# Altium PCB 8-8控制板.PcbDoc (part 4 of 5) (continued)
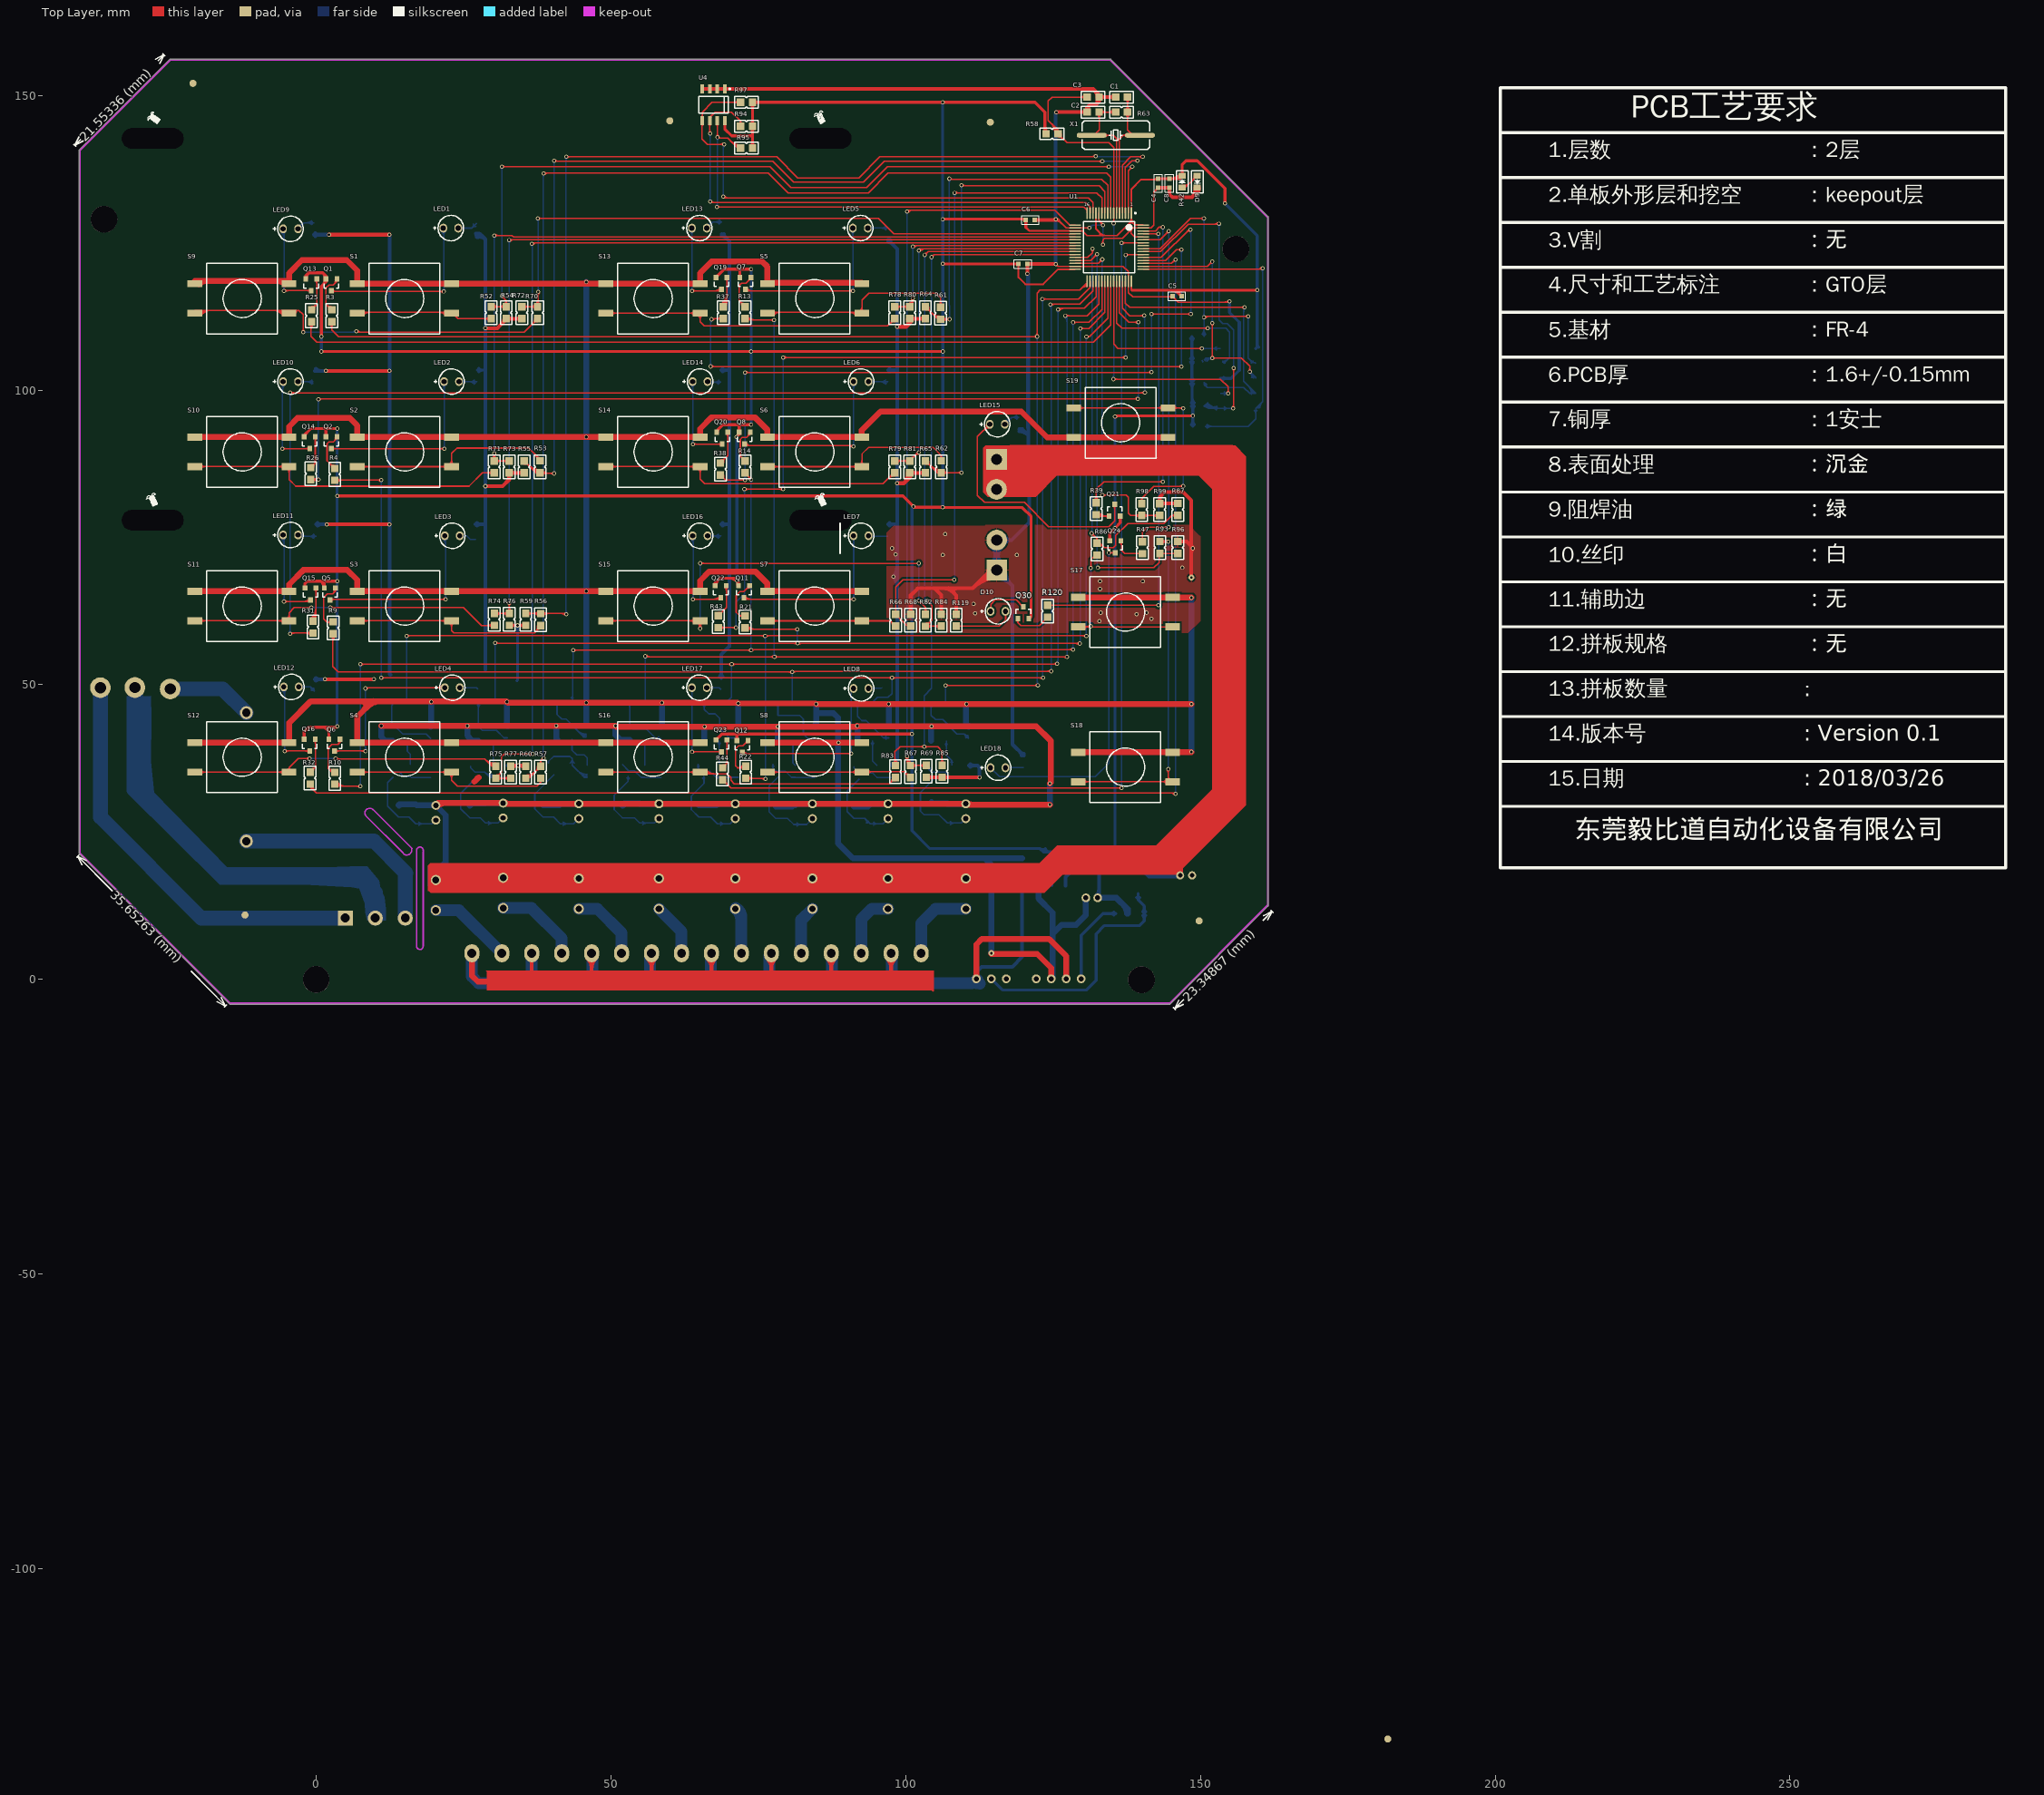
[diagram p0: Top Layer view]
## Nets (pads, with @x,y where several pads share a name; then routed paths per layer and width w, separated by ;. In a path a pad name is that pad's centre, name@x,y a point inside that pad or via, vN(x,y) a via of type N, cw(c..) or ccw(c..) an arc to the next point about the centre after c; other vN are vias at no path point) (continued)
NetR70_2: R70.2 R72.2 U1.20 | length 123.6
  Top Layer w0.203: R72.2@34.9,114.148 R70.2@37.567,114.148 37.694,114.275 v1(37.694,116.688) ; R72.2@35.133,113.914 cw(c35.697,113.35) 35.697,114.148 cw(c35.697,114.945) R72.2@35.133,114.381 ; R72.2@35.277,113.77 cw(c36.187,112.86) 36.187,114.148 cw(c36.187,115.435) R72.2@35.277,114.525 ; R70.2@37.189,113.77 ccw(c36.279,112.86) 36.279,114.148 ccw(c36.279,115.435) 37.189,114.525 ccw(c35.972,115.742) 37.694,115.742 ; R70.2@37.333,113.914 ccw(c36.769,113.35) 36.769,114.148 ccw(c36.769,114.945) 37.333,114.381 ccw(c36.463,115.251) 37.694,115.251 ; v1@37.518,116.512 cw(c37.094,116.088) 37.694,116.088 cw(c38.293,116.088) v1@37.869,116.512 ; v1(37.567,129.134) 95.352,129.134 97.988,126.498 U1.20@128.753,126.498 ; 37.694,115.129 ccw(c38.548,115.129) R70.2@37.944,114.525 ; v1@37.742,128.958 cw(c38.166,128.534) 38.166,129.134 cw(c38.166,129.733) v1@37.742,129.309
  Bottom Layer w0.203: v1@37.391,128.958 cw(c36.66,128.227) 37.694,128.227 ; v1@37.518,116.863 ccw(c37.094,117.287) 37.694,117.287 ccw(c38.293,117.287) v1@37.869,116.863 ; v1@37.535,129.102 cw(c37.151,128.718) 37.694,128.718 ; v1(37.567,129.134) 37.694,129.007 v1(37.694,116.688)
NetR71_1: R71.1 S10.2 S10.3 | length 64.1
  Top Layer w0.203: S10.2@-20.598,87.01 S10.3@-4.598,87.01 ; S10.2@-19.74,86.801 cw(c-19.236,86.297) -19.236,87.01 cw(c-19.236,87.722) S10.2@-19.74,87.218 ; S10.2@-19.596,86.657 cw(c-18.745,85.806) -18.745,87.01 cw(c-18.745,88.213) S10.2@-19.596,87.362 ; S10.3@-5.601,86.657 ccw(c-6.452,85.806) -6.452,87.01 ccw(c-6.452,88.213) S10.3@-5.601,87.362 ; S10.3@-5.457,86.801 ccw(c-5.961,86.297) -5.961,87.01 ccw(c-5.961,87.722) S10.3@-5.457,87.218
  Top Layer w0.254: S10.3@-4.933,86.675 cw(c-5.74,85.868) -4.598,85.868 cw(c-3.456,85.868) S10.3@-4.264,86.675 ; S10.3@-4.598,87.01 -4.598,84.836 -3.455,83.693 25.933,83.693 28.194,85.954 R71.1@30.201,85.954 ; R71.1@29.841,85.594 ccw(c28.974,84.727) 28.974,85.954 ccw(c28.974,87.18) R71.1@29.841,86.313
NetR71_2: R71.2 R73.2 U1.21 | length 150.2
  Top Layer w0.203: v1(30.226,126.238) 33.223,126.238 33.503,125.959 128.714,125.959 U1.21@128.753,125.998 ; v1@30.402,126.062 cw(c30.826,125.638) 30.826,126.238 cw(c30.826,126.838) v1@30.402,126.414 ; 127.727,125.959 ccw(c127.727,126.148) U1.21@127.861,126.014
  Top Layer w0.254: R71.2@29.86,88.363 ccw(c29.169,89.129) v1@30.201,89.129 ; v1@30.033,89.17 cw(c29.523,88.875) 30.092,88.722 ; v1@30.068,89.123 cw(c29.749,88.804) 30.201,88.804 ; 30.11,88.792 cw(c30.581,88.666) v1@30.337,89.088 ; v1@30.115,89.088 cw(c29.955,88.811) 30.264,88.894 ; 30.201,88.681 cw(c30.826,88.681) v1@30.384,89.123 ; v1(30.226,89.281) 30.226,89.154 v1@30.201,89.129 ; 30.31,88.72 cw(c30.768,88.843) v1@30.399,89.141 ; R71.2@30.541,88.363 cw(c31.232,89.129) v1@30.201,89.129 ; R71.2@30.56,87.626 cw(c31.427,86.759) 31.427,87.986 cw(c31.427,89.212) R71.2@30.56,88.345 ; R73.2@32.381,87.626 ccw(c31.514,86.759) 31.514,87.986 ccw(c31.514,89.212) R73.2@32.381,88.345 ; R73.2@32.741,87.986 R71.2@30.201,87.986 v1@30.201,89.129
  Bottom Layer w0.254: v1@30.068,89.439 ccw(c29.688,89.819) 30.226,89.819 ccw(c30.764,89.819) v1@30.384,89.439 ; v1@30.068,126.08 cw(c29.688,125.7) 30.226,125.7 cw(c30.764,125.7) v1@30.384,126.08 ; v1(30.226,89.281) v1(30.226,126.238)
NetR74_1: R74.1 S11.2 S11.3 | length 69.9
  Top Layer w0.203: S11.2@-20.598,60.848 S11.3@-4.598,60.848 -4.598,62.204 -3.708,63.094 v1(-0.787,63.094) ; S11.2@-19.74,60.639 cw(c-19.236,60.135) -19.236,60.848 cw(c-19.236,61.56) S11.2@-19.74,61.056 ; S11.2@-19.596,60.495 cw(c-18.745,59.644) -18.745,60.848 cw(c-18.745,62.051) S11.2@-19.596,61.2 ; S11.3@-5.601,60.495 ccw(c-6.452,59.644) -6.452,60.848 ccw(c-6.452,62.051) S11.3@-5.601,61.2 ; S11.3@-5.457,60.639 ccw(c-5.961,60.135) -5.961,60.848 ccw(c-5.961,61.56) S11.3@-5.457,61.056 ; S11.3@-4.951,61.2 ccw(c-5.802,62.051) -4.598,62.051 ccw(c-3.395,62.051) S11.3@-4.246,61.2 ; S11.3@-4.807,61.056 ccw(c-5.311,61.56) -4.598,61.56 ccw(c-3.886,61.56) S11.3@-4.39,61.056 ; v1@-0.963,62.918 ccw(c-1.387,62.494) -1.387,63.094 ccw(c-1.387,63.693) v1@-0.963,63.269 ; v1(2.388,63.094) 24.994,63.094 28.042,60.046 28.067,60.071 R74.1@30.226,60.071 ; v1@2.563,62.918 cw(c2.987,62.494) 2.987,63.094 cw(c2.987,63.693) v1@2.563,63.269 ; R74.1@29.849,59.694 ccw(c28.938,58.783) 28.938,60.071 ccw(c28.938,61.359) R74.1@29.849,60.448 ; R74.1@29.993,59.838 ccw(c29.429,59.274) 29.429,60.071 ccw(c29.429,60.868) R74.1@29.993,60.304
  Bottom Layer w0.203: v1(-0.787,63.094) v1(2.388,63.094) ; v1@-0.612,62.918 cw(c-0.188,62.494) -0.188,63.094 cw(c-0.188,63.693) v1@-0.612,63.269 ; v1@2.212,62.918 ccw(c1.788,62.494) 1.788,63.094 ccw(c1.788,63.693) v1@2.212,63.269
NetR74_2: R74.2 R76.2 U1.22 | length 175.5
  Top Layer w0.203: R74.2@30.226,62.103 R76.2@32.766,62.103 v1(32.766,63.881) ; R74.2@30.459,61.87 cw(c31.023,61.306) 31.023,62.103 cw(c31.023,62.9) R74.2@30.459,62.336 ; R74.2@30.603,61.726 cw(c31.514,60.815) 31.514,62.103 cw(c31.514,63.391) R74.2@30.603,62.48 ; R76.2@32.389,61.726 ccw(c31.478,60.815) 31.478,62.103 ccw(c31.478,63.391) 32.389,62.48 ccw(c31.478,63.391) 32.766,63.391 ccw(c34.054,63.391) R76.2@33.143,62.48 ; R76.2@32.533,61.87 ccw(c31.969,61.306) 31.969,62.103 ccw(c31.969,62.9) 32.533,62.336 ccw(c31.969,62.9) 32.766,62.9 ccw(c33.563,62.9) R76.2@32.999,62.336 ; v1@32.59,63.705 cw(c32.166,63.281) 32.766,63.281 cw(c33.366,63.281) v1@32.942,63.705 ; v1(32.766,125.476) 32.788,125.498 35.795,125.498 ; v1@32.942,125.3 cw(c33.418,124.824) 33.418,125.498 ; v1@32.942,125.652 ccw(c33.314,126.024) 33.314,125.498 ; 35.796,125.498 U1.22@128.752,125.498
  Bottom Layer w0.203: v1@32.59,64.057 ccw(c32.166,64.481) 32.766,64.481 ccw(c33.366,64.481) v1@32.942,64.057 ; v1@32.59,125.3 cw(c32.166,124.876) 32.766,124.876 cw(c33.366,124.876) v1@32.942,125.3 ; v1(32.766,63.881) v1(32.766,125.476)
NetR75_1: R75.1 S12.2 S12.3 | length 69.6
  Top Layer w0.203: S12.2@-20.598,35.194 S12.3@-4.598,35.194 -4.598,35.915 ; S12.2@-19.74,34.985 cw(c-19.236,34.481) -19.236,35.194 cw(c-19.236,35.906) S12.2@-19.74,35.402 ; S12.2@-19.596,34.841 cw(c-18.745,33.99) -18.745,35.194 cw(c-18.745,36.397) S12.2@-19.596,35.546 ; S12.3@-5.601,34.841 ccw(c-6.452,33.99) -6.452,35.194 ccw(c-6.452,36.397) S12.3@-5.601,35.546 ; S12.3@-5.457,34.985 ccw(c-5.961,34.481) -5.961,35.194 ccw(c-5.961,35.906) S12.3@-5.457,35.402 ; S12.3@-4.774,35.66 ccw(c-4.871,35.915) -4.598,35.915 ; S12.3@-4.422,35.66 cw(c-4.326,35.915) -4.598,35.915 ; v1@-1.319,37.289 ccw(c-1.743,36.865) -1.743,37.465 ccw(c-1.743,38.065) v1@-1.319,37.641 ; v1(-1.143,37.465) -3.048,37.465 -4.598,35.915 ; v1(3.302,37.465) 3.327,37.44 28.55,37.44 ; v1@3.478,37.289 cw(c3.84,36.927) 3.84,37.44 ; v1@3.478,37.641 ccw(c3.963,38.126) 3.963,37.44 ; 28.878,37.111 ccw(c30.359,38.592) R75.1@30.442,36.5 ; 29.206,36.783 ccw(c30.384,37.96) R75.1@30.45,36.297 ; 29.535,36.455 ccw(c30.409,37.329) R75.1@30.458,36.093 ; R75.1@30.433,36.703 cw(c30.334,39.223) 28.55,37.44 ; R75.1@30.455,36.17 29.82,36.17 28.55,37.44
  Bottom Layer w0.203: v1(-1.143,37.465) v1(3.302,37.465) ; v1@-0.967,37.289 cw(c-0.543,36.865) -0.543,37.465 cw(c-0.543,38.065) v1@-0.967,37.641 ; v1@3.126,37.289 ccw(c2.702,36.865) 2.702,37.465 ccw(c2.702,38.065) v1@3.126,37.641
NetR75_2: R75.2 R77.2 U1.23 | length 205.4
  Top Layer w0.203: R75.2@30.455,34.468 ccw(c30.455,35.265) 31.018,34.701 ccw(c31.582,34.138) R75.2@30.785,34.138 ; R75.2@30.455,34.671 ccw(c30.455,35.959) 31.365,35.048 ccw(c32.276,34.138) R75.2@30.988,34.138 ; R75.2@30.688,33.904 cw(c31.252,33.34) 31.252,34.138 cw(c31.252,34.935) R75.2@30.688,34.371 ; R75.2@30.832,33.76 cw(c31.742,32.85) 31.742,34.138 cw(c31.742,35.425) R75.2@30.832,34.515 ; R77.2@32.617,33.76 ccw(c31.707,32.85) 31.707,34.138 ccw(c31.707,35.425) R77.2@32.617,34.515 ; R77.2@32.761,33.904 ccw(c32.197,33.34) 32.197,34.138 ccw(c32.197,34.935) R77.2@32.761,34.371 ; R77.2@32.995,34.138 R75.2@30.455,34.138 31.471,35.154 31.471,37.821 31.877,38.227 v1(36.703,38.227) ; v1@36.527,38.051 ccw(c36.103,37.627) 36.103,38.227 ccw(c36.103,38.827) v1@36.527,38.403 ; v1(36.576,124.841) 36.733,124.998 U1.23@128.753,124.998 ; v1@36.608,124.809 cw(c37.063,124.354) 37.063,124.998 ; v1@36.752,124.665 cw(c37.554,123.863) 37.554,124.998
  Bottom Layer w0.203: v1@36.4,124.665 cw(c35.731,123.996) 36.678,123.996 ; v1@36.527,38.403 ccw(c36.165,38.765) 36.678,38.765 ; v1@36.544,124.809 cw(c36.222,124.487) 36.678,124.487 cw(c36.93,124.487) v1@36.752,124.665 ; v1(36.576,124.841) 36.678,124.739 36.678,38.252 v1(36.703,38.227) ; 36.678,38.888 ccw(c37.364,38.888) v1@36.879,38.403
NetR78_1: R78.1 S13.2 S13.3 | length 63.5
  Top Layer w0.203: S13.2@49.125,113.045 S13.3@65.125,113.045 65.125,111.609 65.824,110.909 96.939,110.909 R78.1@98.146,112.116 ; S13.2@49.983,112.836 cw(c50.487,112.332) 50.487,113.045 cw(c50.487,113.757) S13.2@49.983,113.253 ; S13.2@50.127,112.692 cw(c50.978,111.841) 50.978,113.045 cw(c50.978,114.248) S13.2@50.127,113.397 ; S13.3@64.122,112.692 ccw(c63.271,111.841) 63.271,113.045 ccw(c63.271,114.248) S13.3@64.122,113.397 ; S13.3@64.266,112.836 ccw(c63.762,112.332) 63.762,113.045 ccw(c63.762,113.757) S13.3@64.266,113.253 ; S13.3@64.772,112.692 cw(c63.921,111.841) 65.125,111.841 cw(c66.328,111.841) S13.3@65.477,112.692 ; S13.3@64.916,112.836 cw(c64.412,112.332) 65.125,112.332 cw(c65.837,112.332) S13.3@65.333,112.836 ; R78.1@97.612,112.116 cw(c96.324,112.116) 97.235,111.205 cw(c98.146,110.294) R78.1@98.146,111.582 ; R78.1@97.815,112.116 cw(c97.018,112.116) 97.582,111.552 cw(c98.146,110.988) R78.1@98.146,111.785
NetR78_2: R78.2 R80.2 U1.24 | length 57
  Top Layer w0.203: R78.2@98.146,114.148 R80.2@100.686,114.148 101.194,114.656 v1(101.194,115.57) cw(c100.235,115.57) R80.2@100.525,114.656 ; R78.2@98.379,113.914 cw(c98.943,113.35) 98.943,114.148 cw(c98.943,114.945) R78.2@98.379,114.381 ; R78.2@98.523,113.77 cw(c99.433,112.86) 99.433,114.148 cw(c99.433,115.435) R78.2@98.523,114.525 ; R80.2@100.308,113.77 ccw(c99.398,112.86) 99.398,114.148 ccw(c99.398,115.435) R80.2@100.308,114.525 ; R80.2@100.452,113.914 ccw(c99.888,113.35) 99.888,114.148 ccw(c99.888,114.945) R80.2@100.452,114.381 ; R80.2@100.586,114.462 ccw(c100.323,115.292) v1@101.194,115.292 ; R80.2@100.647,114.269 ccw(c100.411,115.015) 101.194,115.015 ; R80.2@100.709,114.075 ccw(c100.499,114.737) R80.2@101.194,114.737 ; v1@100.998,115.416 cw(c100.706,115.187) 101.065,115.091 cw(c101.424,114.994) v1@101.286,115.339 ; v1@101.008,115.405 cw(c100.662,115.097) 101.109,114.977 ; v1@101.018,115.394 cw(c100.594,114.97) 101.194,114.97 cw(c101.793,114.97) v1@101.369,115.394 ; 101.153,115.14 cw(c101.495,115.048) v1@101.318,115.355 ; v1(101.219,124.333) 101.384,124.498 U1.24@128.753,124.498 ; v1@101.251,124.301 cw(c101.725,123.827) 101.725,124.498 ; v1@101.395,124.157 cw(c102.216,123.336) 102.216,124.498
  Bottom Layer w0.203: v1@101.018,115.746 ccw(c100.594,116.17) 101.194,116.17 ccw(c101.793,116.17) v1@101.369,115.746 ; v1@101.043,124.157 cw(c100.681,123.795) 101.194,123.795 ; v1(101.194,115.57) 101.194,124.308 v1(101.219,124.333) ; 101.194,123.672 cw(c101.88,123.672) v1@101.395,124.157
NetR79_1: R79.1 S14.2 S14.3 | length 64.2
  Top Layer w0.203: S14.2@49.125,87.01 S14.3@65.125,87.01 65.125,84.862 65.876,84.111 96.176,84.111 98.019,85.954 R79.1@98.146,85.954 ; S14.2@49.983,86.801 cw(c50.487,86.297) 50.487,87.01 cw(c50.487,87.722) S14.2@49.983,87.218 ; S14.2@50.127,86.657 cw(c50.978,85.806) 50.978,87.01 cw(c50.978,88.213) S14.2@50.127,87.362 ; S14.3@64.122,86.657 ccw(c63.271,85.806) 63.271,87.01 ccw(c63.271,88.213) S14.3@64.122,87.362 ; S14.3@64.266,86.801 ccw(c63.762,86.297) 63.762,87.01 ccw(c63.762,87.722) S14.3@64.266,87.218 ; S14.3@64.772,86.657 cw(c63.921,85.806) 65.125,85.806 cw(c66.328,85.806) S14.3@65.477,86.657 ; S14.3@64.916,86.801 cw(c64.412,86.297) 65.125,86.297 cw(c65.837,86.297) S14.3@65.333,86.801 ; 97.018,84.953 cw(c98.146,83.826) R79.1@98.146,85.42 ; 97.325,85.26 ccw(c96.631,85.954) R79.1@97.612,85.954 ; 97.365,85.3 cw(c98.146,84.52) R79.1@98.146,85.623
NetR79_2: R79.2 R81.2 U1.25 | length 81.5
  Top Layer w0.203: R79.2@98.146,87.986 R81.2@100.686,87.986 102.108,89.408 v1(102.235,89.408) ; R79.2@98.379,87.752 cw(c98.943,87.188) 98.943,87.986 cw(c98.943,88.783) R79.2@98.379,88.219 ; R79.2@98.523,87.608 cw(c99.433,86.698) 99.433,87.986 cw(c99.433,89.273) R79.2@98.523,88.363 ; R81.2@100.308,87.608 ccw(c99.398,86.698) 99.398,87.986 ccw(c99.398,89.273) R81.2@100.308,88.363 ; R81.2@100.452,87.752 ccw(c99.888,87.188) 99.888,87.986 ccw(c99.888,88.783) R81.2@100.452,88.219 ; R81.2@100.686,88.316 ccw(c100.686,89.113) 101.249,88.549 ccw(c101.813,87.986) R81.2@101.016,87.986 ; R81.2@100.686,88.519 ccw(c100.686,89.807) 101.596,88.896 ccw(c102.507,87.986) R81.2@101.219,87.986 ; 101.594,88.894 cw(c102.235,88.253) v1@102.235,89.16 ; 101.901,89.201 ccw(c101.694,89.408) v1@101.987,89.408 ; v1@102.123,123.81 cw(c102.577,123.356) 102.577,123.998 ; v1(102.235,123.698) 102.535,123.998 ; v1@102.267,123.666 cw(c103.067,122.866) 103.067,123.998 ; v1@102.302,123.937 ccw(c102.367,124.165) 102.535,123.998 ; v1@102.411,123.522 cw(c103.558,122.375) 103.558,123.998 ; v1@102.474,123.765 cw(c102.702,123.83) 102.535,123.998 ; U1.25@128.753,123.998 102.535,123.998
  Bottom Layer w0.203: v1@102.059,89.584 ccw(c101.697,89.946) 102.21,89.946 ; v1@102.059,123.522 cw(c101.697,123.16) 102.21,123.16 ; 102.21,90.069 ccw(c102.896,90.069) v1@102.411,89.584 ; 102.21,123.037 cw(c102.896,123.037) v1@102.411,123.522 ; v1(102.235,89.408) 102.21,89.433 102.21,123.673 v1(102.235,123.698)
NetR82_1: R82.1 S15.2 S15.3 | length 94.8
  Top Layer w0.203: S15.2@49.125,60.848 S15.3@65.125,60.848 v1(65.126,59.538) v1(65.126,59.538) ; S15.2@49.983,60.639 cw(c50.487,60.135) 50.487,60.848 cw(c50.487,61.56) S15.2@49.983,61.056 ; S15.2@50.127,60.495 cw(c50.978,59.644) 50.978,60.848 cw(c50.978,62.051) S15.2@50.127,61.2 ; S15.3@64.122,60.495 ccw(c63.271,59.644) 63.271,60.848 ccw(c63.271,62.051) S15.3@64.122,61.2 ; S15.3@64.266,60.639 ccw(c63.762,60.135) 63.762,60.848 ccw(c63.762,61.56) S15.3@64.266,61.056 ; S15.3@64.772,60.495 cw(c63.921,59.644) 65.125,59.644 cw(c66.328,59.644) S15.3@65.477,60.495 ; v1@64.91,59.662 ccw(c64.312,60.007) 64.979,60.186 ; S15.3@64.916,60.639 cw(c64.412,60.135) 65.125,60.135 ; v1@64.95,59.713 ccw(c64.528,60.135) 65.125,60.135 ; v1@65.001,59.753 ccw(c64.75,60.188) 65.235,60.058 ; 65.013,60.062 ccw(c65.504,60.193) v1@65.25,59.753 ; 65.125,60.14 ccw(c65.728,60.14) v1@65.301,59.713 ; v1(65.151,70.612) v1(102.235,70.612) ; 65.271,60.191 ccw(c65.945,60.01) v1@65.341,59.662 ; v1@65.327,70.436 cw(c65.751,70.012) 65.751,70.612 cw(c65.751,71.212) v1@65.327,70.788 ; S15.3@65.333,60.639 ccw(c65.837,60.135) 65.125,60.135 ; v1@102.235,64.014 cw(c102.235,63.537) 102.572,63.874 ; v1(102.235,64.262) 102.235,64.211 103.353,63.094 ; v1@102.483,64.262 ccw(c103.206,64.262) 102.695,63.751 ; R82.1@103.01,62.359 ccw(c102.395,63.094) 103.353,63.094 ; R82.1@103.141,62.204 ccw(c102.76,62.658) 103.353,62.658 ccw(c103.946,62.658) R82.1@103.565,62.204 ; R82.1@103.353,61.951 103.353,63.094 ; R82.1@103.695,62.359 cw(c104.31,63.094) 103.353,63.094
  Bottom Layer w0.203: v1@64.95,59.713 ccw(c64.526,60.137) 65.126,60.137 ccw(c65.725,60.137) v1@65.301,59.713 ; v1@64.969,70.443 cw(c64.529,70.036) 65.128,70.013 cw(c65.727,69.99) v1@65.32,70.43 ; v1(65.126,59.538) 65.126,69.952 v1(65.151,70.612) ; v1@102.059,64.438 ccw(c101.697,64.8) 102.21,64.8 ; v1@102.059,70.436 cw(c101.697,70.074) 102.21,70.074 ; 102.21,64.923 ccw(c102.896,64.923) v1@102.411,64.438 ; 102.21,69.951 cw(c102.896,69.951) v1@102.411,70.436 ; v1(102.235,64.262) 102.21,64.287 102.21,70.587 v1(102.235,70.612)
NetR82_2: R82.2 R84.2 U1.26 | length 104.4
  Top Layer w0.203: v1(103.251,122.936) 103.813,123.498 U1.26@128.753,123.498 ; v1@103.251,123.184 ccw(c103.251,123.784) 103.675,123.36 ccw(c104.099,122.936) v1@103.499,122.936 ; R82.2@103.353,59.919 103.454,59.919 R82.2@103.48,59.944 ; R82.2@103.353,60.249 ccw(c103.353,61.291) 104.09,60.554 ; R82.2@103.353,60.452 ccw(c103.353,61.985) 104.437,60.901 ; R82.2@103.586,59.685 cw(c104.211,59.06) 104.211,59.944 ; R82.2@103.586,60.152 ccw(c104.088,60.654) 104.088,59.944 ; v1(103.632,64.262) 104.496,63.398 104.496,60.96 R82.2@103.48,59.944 ; R82.2@103.73,59.541 cw(c104.702,58.57) 104.702,59.944 ; R82.2@103.73,60.296 ccw(c104.579,61.145) 104.579,59.944 ; R82.2@103.886,59.919 cw(c104.928,59.919) 104.191,60.656 ; R84.2@105.668,59.567 ccw(c104.757,58.656) 104.757,59.944 ccw(c104.757,61.232) R84.2@105.668,60.321 ; R84.2@105.812,59.711 ccw(c105.248,59.147) 105.248,59.944 ccw(c105.248,60.741) R84.2@105.812,60.177 ; R84.2@106.045,59.944 R82.2@103.48,59.944
  Bottom Layer w0.203: v1@103.075,122.76 cw(c102.651,122.336) 103.251,122.336 cw(c103.851,122.336) v1@103.427,122.76 ; v1(103.251,122.936) 103.251,64.643 ; v1@103.384,64.282 ccw(c102.926,64.318) 103.251,64.643 ; v1@103.612,64.51 cw(c103.576,64.968) 103.251,64.643 ; v1(103.632,64.262) 103.251,64.643
NetR83_1: R83.1 S16.2 S16.3 | length 64.1
  Top Layer w0.203: S16.2@49.125,35.194 S16.3@65.125,35.194 65.419,34.9 69.698,34.9 70.333,34.265 70.333,33.757 70.904,33.185 97.193,33.185 R83.1@98.273,34.265 ; S16.2@49.983,34.985 cw(c50.487,34.481) 50.487,35.194 cw(c50.487,35.906) S16.2@49.983,35.402 ; S16.2@50.127,34.841 cw(c50.978,33.99) 50.978,35.194 cw(c50.978,36.397) S16.2@50.127,35.546 ; S16.3@64.122,34.841 ccw(c63.271,33.99) 63.271,35.194 ccw(c63.271,36.397) S16.3@64.122,35.546 ; S16.3@64.266,34.985 ccw(c63.762,34.481) 63.762,35.194 ccw(c63.762,35.906) S16.3@64.266,35.402 ; S16.3@65.84,35.259 ccw(c66.706,36.125) 66.706,34.9 ; S16.3@65.983,35.402 ccw(c67.197,36.616) 67.197,34.9 ; S16.3@66.127,35.546 ccw(c67.688,37.107) 67.688,34.9 ; R83.1@97.739,34.265 cw(c96.451,34.265) 97.362,33.354 cw(c98.273,32.443) R83.1@98.273,33.731 ; R83.1@97.942,34.265 cw(c97.145,34.265) 97.709,33.701 cw(c98.273,33.137) R83.1@98.273,33.934
NetR83_2: R83.2 R85.2 U1.27 | length 131.5
  Top Layer w0.203: R83.2@97.895,36.674 ccw(c97.23,37.339) 98.171,37.339 ccw(c99.315,37.339) R83.2@98.506,36.53 ; 98.171,37.83 ccw(c99.806,37.83) R83.2@98.65,36.674 ; R83.2@98.273,36.297 98.171,36.398 98.171,38.608 99.035,39.472 v1@103.124,39.472 ; 102.463,39.472 ccw(c102.463,40.158) v1@102.948,39.673 ; 102.586,39.472 cw(c102.586,38.959) v1@102.948,39.321 ; v1(103.124,39.497) v1@103.124,39.472 ; v1@103.3,39.321 cw(c103.662,38.959) 103.662,39.472 ; v1@103.3,39.673 ccw(c103.785,40.158) 103.785,39.472 ; v1(104.394,122.555) 104.837,122.998 U1.27@128.753,122.998 ; v1@104.394,122.803 ccw(c104.394,123.403) 104.818,122.979 ccw(c105.242,122.555) v1@104.642,122.555 ; R85.2@105.795,36.699 ccw(c104.884,37.61) 106.172,37.61 ccw(c107.46,37.61) R85.2@106.549,36.699 ; R85.2@105.939,36.555 ccw(c105.375,37.119) 106.172,37.119 ccw(c106.969,37.119) R85.2@106.405,36.555 ; R85.2@106.172,36.322 106.172,38.735 105.435,39.472 v1@103.124,39.472
  Bottom Layer w0.203: v1(103.124,39.497) 103.124,48.133 104.394,49.403 v1(104.394,122.555) ; v1@104.218,122.379 cw(c103.794,121.955) 104.394,121.955 cw(c104.994,121.955) v1@104.57,122.379
NetR86_1: R86.1 S17.2 S17.3 | length 36.6
  Top Layer w0.203: S17.2@129.262,59.832 131.333,59.832 v1(131.42,59.919) ; S17.2@130.12,59.623 cw(c130.624,59.119) 130.624,59.832 cw(c130.624,60.544) S17.2@130.12,60.04 ; S17.2@130.264,59.479 cw(c131.115,58.628) 131.115,59.832 cw(c131.115,61.035) S17.2@130.264,60.184 ; 130.61,59.832 ccw(c130.61,60.728) v1@131.244,60.094 ; 130.786,59.92 ccw(c130.893,60.319) v1@131.222,60.069 ; 130.83,59.755 ccw(c130.67,60.351) v1@131.204,60.043 ; 130.854,59.762 cw(c131.004,59.199) v1@131.295,59.703 ; 131.03,59.832 cw(c131.03,59.529) v1@131.244,59.743 ; v1@131.507,59.832 S17.3@145.262,59.832
  Top Layer w0.254: v1@131.262,69.982 ccw(c130.881,70.363) 131.42,70.363 ccw(c131.958,70.363) v1@131.577,69.982 ; v1(131.42,69.825) 131.42,71.247 132.182,72.009 R86.1@132.461,72.009 ; R86.1@132.41,72.136 R86.1@132.436,72.111
  Bottom Layer w0.254: v1@131.262,60.076 ccw(c130.881,60.457) 131.42,60.457 ccw(c131.958,60.457) v1@131.577,60.076 ; v1@131.262,69.667 cw(c130.881,69.286) 131.42,69.286 cw(c131.958,69.286) v1@131.577,69.667 ; v1(131.42,59.919) v1(131.42,69.825)
NetR86_2: R86.2 R87.2 U1.28 | length 80.4
  Top Layer w0.203: U1.28@128.753,122.498 130.88,122.498 131.699,123.317 v1(131.699,123.952) ; v1@131.523,123.776 cw(c131.099,123.352) 131.699,123.352 cw(c132.299,123.352) v1@131.875,123.776 ; v1@131.572,75.444 cw(c131.572,74.844) 131.996,75.268 cw(c132.42,75.692) v1@131.82,75.692 ; v1(131.572,75.692) 132.461,74.803 ; R86.2@132.278,74.542 ccw(c132.183,74.803) 132.461,74.803 ; R86.2@132.461,74.041 R86.2@132.461,74.143 ; R86.2@132.502,73.921 cw(c132.741,73.214) 133.268,73.742 ; R86.2@132.567,73.728 cw(c132.858,72.869) 133.5,73.51 ; R86.2@132.632,73.536 cw(c132.975,72.523) 133.731,73.279 ; R86.2@132.644,74.542 cw(c132.739,74.803) 132.461,74.803 ; R87.2@145.738,78.437 ccw(c145.161,78.039) 145.161,78.74 ; R87.2@145.738,79.043 cw(c145.161,79.441) 145.161,78.74 ; R87.2@146.177,78.74 145.161,78.74 ; R86.2@132.461,74.143 132.867,74.143 133.731,73.279 ; R86.2@132.461,74.143 132.461,74.803 ; 133.731,73.279 135.255,73.279 135.636,73.66 135.636,75.311 137.668,77.343 143.764,77.343 145.161,78.74
  Bottom Layer w0.203: v1@131.396,75.868 ccw(c130.804,76.46) 131.642,76.46 ; v1@131.523,123.776 cw(c131.238,123.491) 131.642,123.491 ; v1(131.572,75.692) 131.642,75.762 131.642,123.895 v1(131.699,123.952) ; 131.642,76.124 ccw(c132.004,76.124) v1@131.748,75.868 ; 131.642,123.214 cw(c132.437,123.214) v1@131.875,123.776
NetR93_1: R93.1 S18.2 S18.3 | length 71.9
  Top Layer w0.203: S18.2@129.262,33.543 S18.3@145.262,33.543 ; S18.2@130.12,33.334 cw(c130.624,32.83) 130.624,33.543 cw(c130.624,34.255) S18.2@130.12,33.751 ; S18.2@130.264,33.19 cw(c131.115,32.339) 131.115,33.543 cw(c131.115,34.746) S18.2@130.264,33.895 ; R93.1@143.129,74.295 v1(144.526,74.295) ; R93.1@143.362,74.062 cw(c143.926,73.498) 143.926,74.295 ; R93.1@143.362,74.528 ccw(c143.926,75.092) 143.926,74.295 ; R93.1@143.506,73.918 cw(c144.417,73.007) 144.417,74.295 cw(c144.417,75.583) R93.1@143.506,74.672 ; 143.873,74.149 cw(c144.054,73.477) v1@144.402,74.08 ; 143.873,74.441 ccw(c144.054,75.113) v1@144.402,74.51 ; 144.005,74.185 ccw(c143.875,74.671) v1@144.311,74.419 ; 144.005,74.405 cw(c143.875,73.919) v1@144.311,74.171 ; S18.3@144.259,33.19 ccw(c143.408,32.339) 143.408,33.543 ccw(c143.408,34.746) S18.3@144.259,33.895 ; v1@144.35,35.511 cw(c143.926,35.087) 144.526,35.087 cw(c145.126,35.087) v1@144.702,35.511 ; v1@144.35,74.119 ccw(c143.926,73.695) 143.926,74.295 ; v1@144.35,74.471 cw(c143.926,74.895) 143.926,74.295 ; S18.3@144.403,33.334 ccw(c143.899,32.83) 143.899,33.543 ccw(c143.899,34.255) S18.3@144.403,33.751 ; v1(144.526,35.687) 144.526,34.278 S18.3@145.262,33.543 ; S18.3@145.501,33.782 S18.3@145.262,33.543
  Bottom Layer w0.203: v1(144.526,35.687) v1(144.526,74.295)
NetR93_2: R93.2 R96.2 U1.29 | length 74.7
  Top Layer w0.203: U1.29@128.753,121.998 131.396,121.998 v1(132.461,123.063) ; v1@132.213,123.063 cw(c131.613,123.063) 132.037,122.639 cw(c132.461,122.215) v1@132.461,122.815 ; v1(132.588,69.85) 142.113,69.85 143.002,70.739 143.002,72.136 R93.2@143.129,72.263 R96.2@146.177,72.263
  Bottom Layer w0.203: v1@132.285,122.887 cw(c131.861,122.463) 132.461,122.463 cw(c133.061,122.463) v1@132.637,122.887 ; v1(132.461,123.063) 132.461,69.977 v1(132.588,69.85)
NetR94_1: R94.1 U1.15 U4.6 | length 94.6
  Top Layer w0.203: v1@66.626,143.686 ccw(c66.264,144.048) 66.777,144.048 ; U4.6@66.633,145.078 cw(c66.286,144.731) 66.777,144.731 cw(c67.267,144.731) U4.6@66.92,145.078 ; 66.777,144.171 ccw(c67.463,144.171) v1@66.978,143.686 ; U4.6@66.777,146.39 ccw(c66.777,146.66) U4.6@66.967,146.469 ; v1(66.802,131.953) 66.939,131.816 130.531,131.816 131.278,131.069 U1.15@131.278,130.023 ; v1(66.802,143.51) 66.777,143.535 U4.6@66.777,145.705 66.777,146.279 67.666,147.168 70.46,147.168 71.984,145.644 ; v1@66.834,131.985 ccw(c67.243,132.394) 67.243,131.816 ; v1@66.978,132.129 ccw(c67.733,132.884) 67.733,131.816 ; U4.6@66.98,146.187 cw(c67.691,146.187) 67.188,146.69 ; R94.1@71.733,145.225 ccw(c71.51,145.644) 71.984,145.644 ; R94.1@71.984,144.755 71.984,145.644 ; R94.1@72.235,145.225 cw(c72.458,145.644) 71.984,145.644 ; 131.117,131.229 cw(c130.785,130.898) U1.15@131.254,130.898
  Bottom Layer w0.203: v1@66.626,132.129 ccw(c66.202,132.553) 66.802,132.553 ccw(c67.402,132.553) v1@66.978,132.129 ; v1@66.626,143.334 cw(c66.202,142.91) 66.802,142.91 cw(c67.402,142.91) v1@66.978,143.334 ; v1@66.802,131.699 v1(66.802,131.953) v1(66.802,143.51)
NetR95_1: R95.1 U1.16 U4.7 | length 94.5
  Top Layer w0.203: v1@67.896,143.051 ccw(c67.472,143.475) 68.072,143.475 ccw(c68.672,143.475) 68.248,143.051 ccw(c69.04,143.843) 69.04,142.723 ; U4.7@67.903,145.078 cw(c67.495,144.67) 68.072,144.67 ; v1(67.996,131.064) 130.251,131.064 130.778,130.538 U1.16@130.778,130.023 ; U4.7@68.047,145.705 68.072,145.679 v1(68.072,142.875) ; v1@68.072,142.723 69.825,142.723 71.73,140.818 R95.1@71.984,141.072 ; 68.072,144.793 cw(c68.476,144.793) U4.7@68.19,145.078 ; v1@68.104,142.907 ccw(c68.549,143.352) 68.549,142.723 ; v1@68.171,130.888 cw(c68.595,130.464) 68.595,131.064 cw(c68.595,131.664) v1@68.171,131.24 ; 70.206,142.341 ccw(c71.984,144.119) R95.1@71.984,141.605 ; 70.553,141.994 ccw(c71.984,143.425) R95.1@71.984,141.402 ; 70.9,141.648 ccw(c71.984,142.732) R95.1@71.984,141.199 ; 71.246,141.301 ccw(c71.984,142.038) R95.1@71.984,140.995
  Bottom Layer w0.203: v1@67.82,131.24 ccw(c67.212,131.848) 68.072,131.848 ; v1@67.896,142.699 cw(c67.472,142.275) 68.072,142.275 cw(c68.672,142.275) v1@68.248,142.699 ; v1(67.996,131.064) 68.072,131.14 v1(68.072,142.875) ; 68.072,131.48 ccw(c68.412,131.48) v1@68.171,131.24
NetR97_1: R97.1 U1.14 U4.5 | length 99.9
  Top Layer w0.203: U4.5@65.363,145.078 cw(c65.144,144.859) 65.454,144.859 ; U4.5@65.363,146.331 ccw(c65.016,146.678) 65.507,146.678 ccw(c65.997,146.678) U4.5@65.65,146.331 ; 65.454,144.603 cw(c66.125,144.603) U4.5@65.65,145.078 ; v1@69.014,141.531 ccw(c68.59,141.107) 68.59,141.707 ccw(c68.59,142.306) v1@69.014,141.882 ; v1(69.063,132.817) 69.317,132.563 ; v1@69.095,132.849 ccw(c69.785,133.539) 69.785,132.563 ; v1@69.165,132.59 cw(c69.221,132.467) 69.317,132.563 ; v1(69.19,141.707) 66.343,141.707 65.454,142.596 65.454,145.652 U4.5@65.507,145.705 65.507,147.168 67.158,148.819 R97.1@71.984,148.819 ; v1@69.238,132.992 ccw(c70.275,134.029) 70.275,132.563 ; v1@69.289,132.714 ccw(c69.412,132.658) 69.317,132.563 ; R97.1@71.606,148.441 ccw(c70.696,147.531) 70.696,148.819 ccw(c70.696,150.106) R97.1@71.606,149.196 ; R97.1@71.75,148.585 ccw(c71.186,148.021) 71.186,148.819 ccw(c71.186,149.616) R97.1@71.75,149.052 ; U1.14@131.778,130.023 131.778,131.801 131.016,132.563 69.317,132.563
  Bottom Layer w0.203: v1@68.887,132.992 ccw(c68.463,133.416) 69.063,133.416 ccw(c69.662,133.416) v1@69.238,132.992 ; v1(69.063,132.817) 69.063,141.58 v1(69.19,141.707) ; 69.063,140.8 cw(c70.096,140.8) v1@69.365,141.531 ; 69.063,141.291 cw(c69.605,141.291) v1@69.222,141.675
NetR98_1: R98.1 S19.2 S19.3 | length 50.4
  Top Layer w0.203: R98.1@139.805,81.217 ccw(c139.582,81.636) 140.056,81.636 ; R98.1@140.056,80.747 140.056,81.636 ; R98.1@140.307,81.217 cw(c140.53,81.636) 140.056,81.636 ; 146.405,83.668 ccw(c146.405,84.354) v1@146.89,83.869 ; 146.528,83.668 cw(c146.528,83.155) v1@146.89,83.517 ; v1@147.041,83.668 142.088,83.668 140.056,81.636
  Top Layer w0.254: S19.3@128.5,96.963 S19.2@144.5,96.963 147.004,96.963 v1(147.066,96.901) ; S19.3@129.484,96.628 cw(c130.292,95.821) 130.292,96.963 cw(c130.292,98.105) S19.3@129.484,97.297 ; S19.2@143.515,96.628 ccw(c142.708,95.821) 142.708,96.963 ccw(c142.708,98.105) S19.2@143.515,97.297 ; S19.2@145.484,96.628 cw(c146.292,95.821) 146.292,96.963 cw(c146.292,98.105) S19.2@145.484,97.297 ; 146.379,96.963 cw(c146.379,96.214) v1@146.908,96.743 ; 146.676,96.963 ccw(c146.676,97.291) v1@146.908,97.059
  Bottom Layer w0.254: v1@146.908,83.851 ccw(c146.528,84.231) 147.066,84.231 ccw(c147.604,84.231) v1@147.224,83.851 ; v1@146.908,96.743 cw(c146.528,96.363) 147.066,96.363 cw(c147.604,96.363) v1@147.224,96.743 ; v1@147.041,83.668 v1(147.066,83.693) v1(147.066,96.901)